# Allegro board TNR_REV00_150306.brd
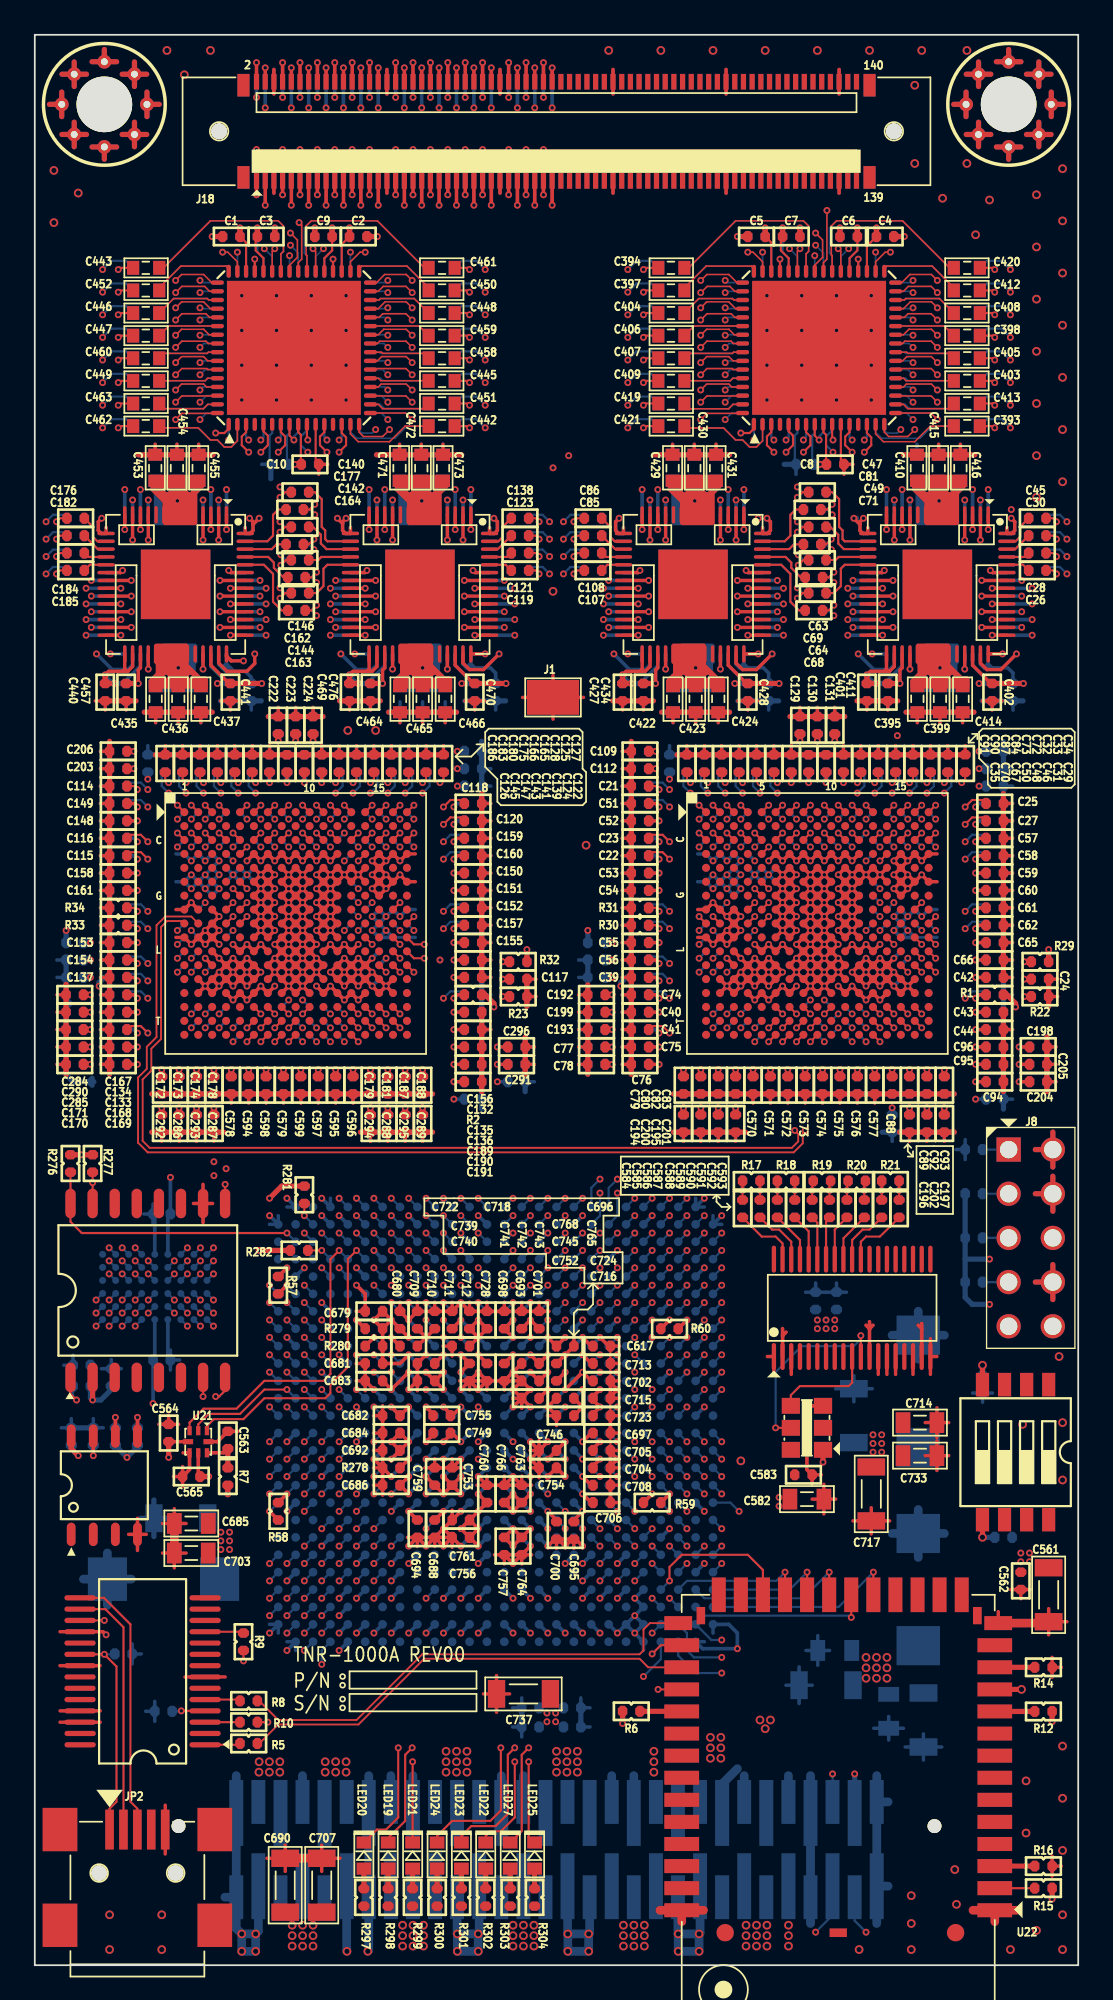
[diagram p0: board, top side]
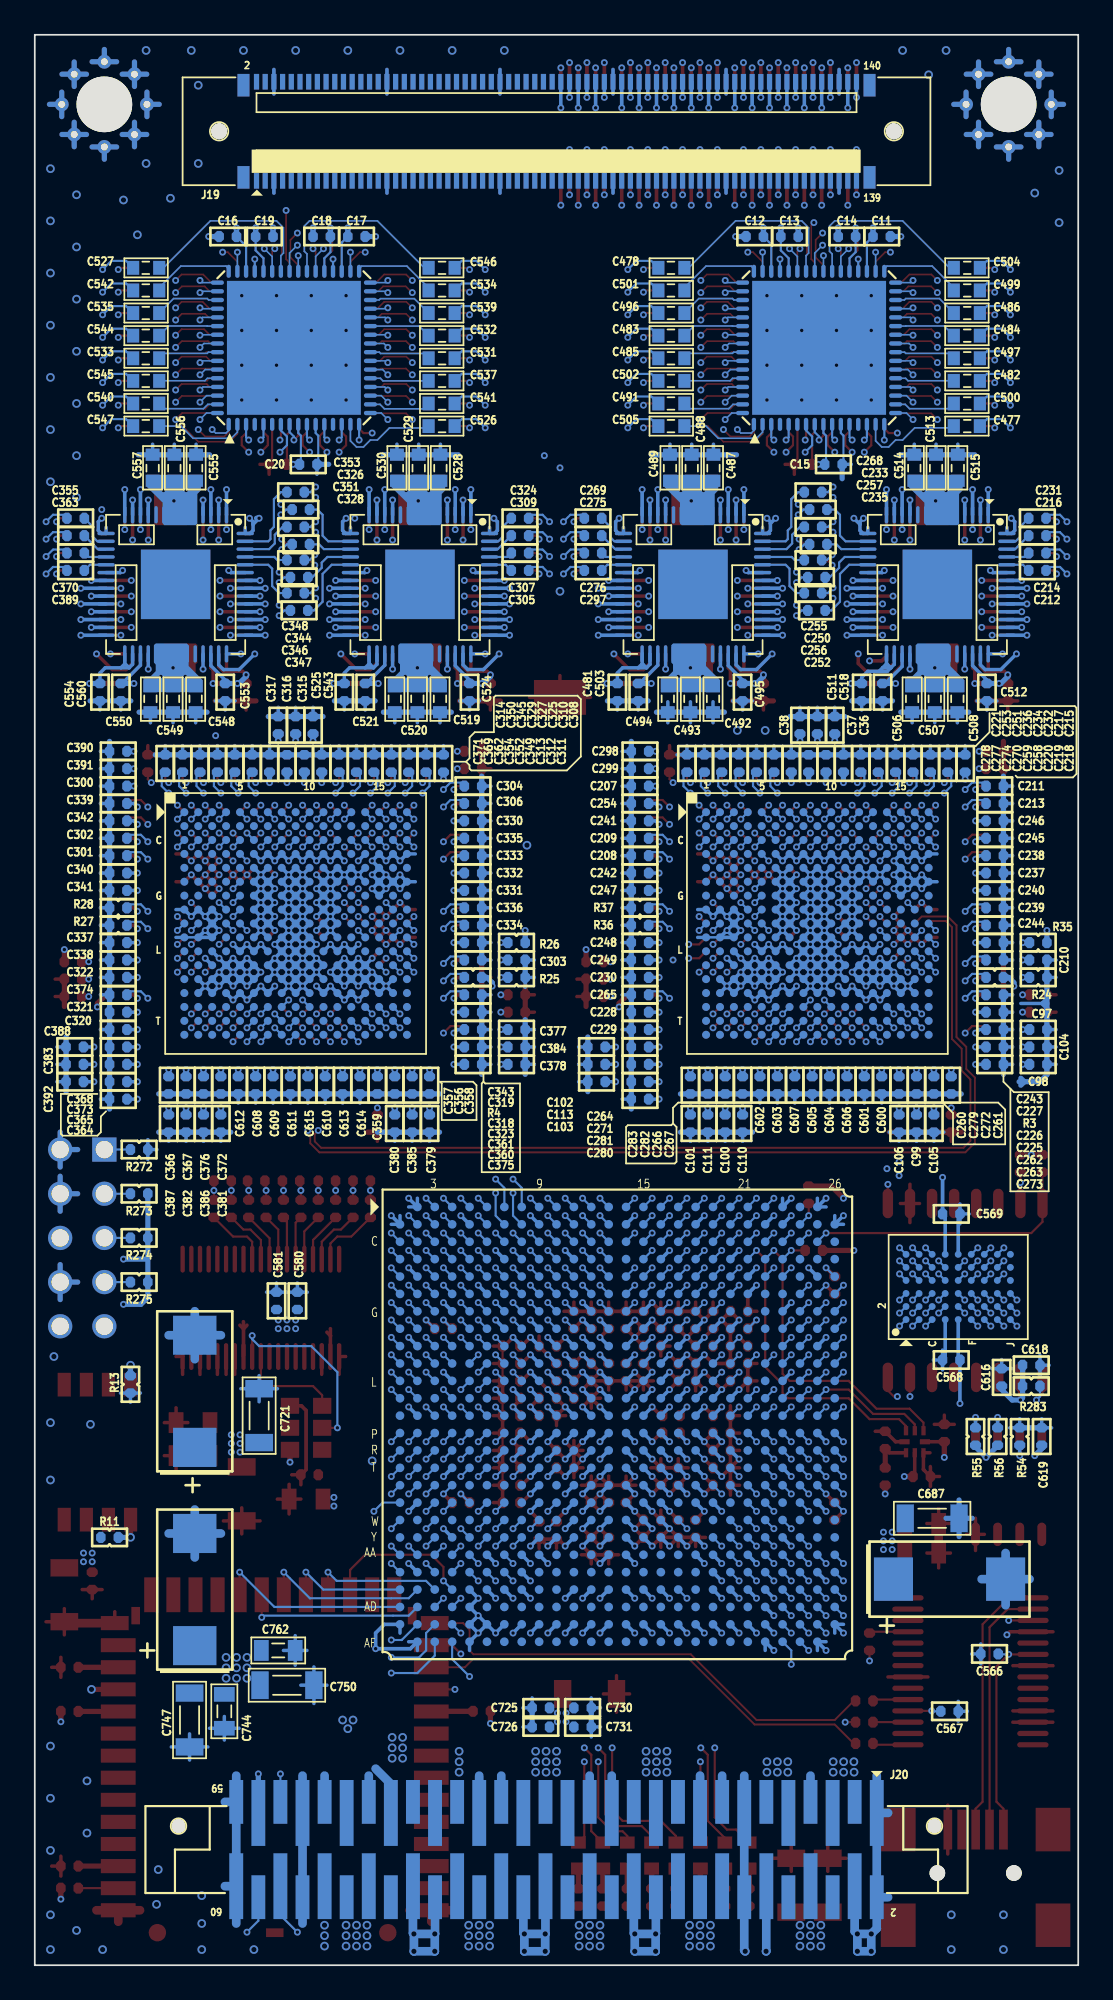
[diagram p1: board, bottom side, seen from below]

Outline 60 x 111 mm; copper layers: TOP, 2-GND, 3-IN, 4-IN, 5-PWR, 6-IN, 7-PWR, 8-IN, 9-IN, 10-PWR, 11-IN, 12-IN, 13-GND, BOTTOM. Coordinates in mm from the lower left corner of the outline.
Outline path: 0,111 0,0 60,0 60,111 0,111

## Design rules (mm)
net group ADCADC1: nets ADCM1 ADCP1
net group ADCADC2: nets ADCM2 ADCP2
net group ADCADC3: nets ADCM3 ADCP3
net group ADCADC4: nets ADCM4 ADCP4
net group ADCADC5: nets ADCM5 ADCP5
net group ADCADC6: nets ADCM6 ADCP6
net group ADCADC7: nets ADCM7 ADCP7
net group ADCADC8: nets ADCM8 ADCP8
net group ADCADC9: nets ADCM9 ADCP9
net group ADCADC10: nets ADCM10 ADCP10
net group ADCADC11: nets ADCM11 ADCP11
net group ADCADC12: nets ADCM12 ADCP12
net group ADCADC13: nets ADCM13 ADCP13
net group ADCADC14: nets ADCM14 ADCP14
net group ADCADC15: nets ADCM15 ADCP15
net group ADCADC16: nets ADCM16 ADCP16
net group ADCADC17: nets ADCM17 ADCP17
net group ADCADC18: nets ADCM18 ADCP18
net group ADCADC19: nets ADCM19 ADCP19
net group ADCADC20: nets ADCM20 ADCP20
net group ADCADC21: nets ADCM21 ADCP21
net group ADCADC22: nets ADCM22 ADCP22
net group ADCADC23: nets ADCM23 ADCP23
net group ADCADC24: nets ADCM24 ADCP24
net group ADCADC25: nets ADCM25 ADCP25
net group ADCADC26: nets ADCM26 ADCP26
net group ADCADC27: nets ADCM27 ADCP27
net group ADCADC28: nets ADCM28 ADCP28
net group ADCADC29: nets ADCM29 ADCP29
net group ADCADC30: nets ADCM30 ADCP30
net group ADCADC31: nets ADCM31 ADCP31
net group ADCADC32: nets ADCM32 ADCP32
net group AFE1_CLK_DP: nets AFE1_CLKN AFE1_CLKP
net group AFE1_DCLK_DP: nets AFE1_DCLKM AFE1_DCLKP
net group AFE1_FCLK_DP: nets AFE1_FCLKM AFE1_FCLKP
net group AFE2_CLK_DP: nets AFE2_CLKN AFE2_CLKP
net group AFE2_DCLK_DP: nets AFE2_DCLKM AFE2_DCLKP
net group AFE2_FCLK_DP: nets AFE2_FCLKM AFE2_FCLKP
net group AFE3_CLK_DP: nets AFE3_CLKN AFE3_CLKP
net group AFE3_DCLK_DP: nets AFE3_DCLKM AFE3_DCLKP
net group AFE3_FCLK_DP: nets AFE3_FCLKM AFE3_FCLKP
net group AFE4_CLK_DP: nets AFE4_CLKN AFE4_CLKP
net group AFE4_DCLK_DP: nets AFE4_DCLKM AFE4_DCLKP
net group AFE4_FCLK_DP: nets AFE4_FCLKM AFE4_FCLKP
net group FPGA_CLK_DP: nets FPGA_CLKN FPGA_CLKP
net group USRT0_DP: nets UART0_RX UART0_TX
net group MEM_A: nets MEM_A0 MEM_A1 MEM_A2 MEM_A3 MEM_A4 MEM_A5 MEM_A6 MEM_A7 MEM_A8 MEM_A9 MEM_A10 MEM_A11 MEM_A12 MEM_A13 MEM_A14 MEM_A15 MEM_A16 MEM_A17 MEM_A18 MEM_A19 MEM_A20 MEM_A21
net group MEM_DQ: nets MEM_DQ0 MEM_DQ1 MEM_DQ2 MEM_DQ3 MEM_DQ4 MEM_DQ5 MEM_DQ6 MEM_DQ7 MEM_DQ8 MEM_DQ9 MEM_DQ10 MEM_DQ11 MEM_DQ12 MEM_DQ13 MEM_DQ14 MEM_DQ15
net group MEM_OT: nets MEM_ADV# MEM_CE# MEM_CLK MEM_CRE MEM_LB# MEM_OE# MEM_UB# MEM_WAIT MEM_WE#
net group MUX: nets MUX1 MUX2 MUX3 MUX4 MUX5 MUX6 MUX7 MUX8 MUX9 MUX10 MUX11 MUX12 MUX13 MUX14 MUX15 MUX16 MUX17 MUX18 MUX19 MUX20 MUX21 MUX22 MUX23 MUX24 MUX25 MUX26 MUX27 MUX28 MUX29 MUX30 MUX31 MUX32 MUX33 MUX34 MUX35 MUX36 MUX37 MUX38 MUX39 MUX40 MUX41 MUX42 MUX43 MUX44 MUX45 MUX46 MUX47 MUX48 MUX49 MUX50 MUX51 MUX52 MUX53 MUX54 MUX55 MUX56 MUX57 MUX58 MUX59 MUX60 MUX61 MUX62 MUX63 MUX64
net group MUX_OT: nets MUX_CLK MUX_CLR MUX_DIN1 MUX_DIN2 MUX_DIN3 MUX_DIN4 MUX_LE

## Placement (name value [footprint] x y rotation side)
C1  0.1u_0402  [C0402]  11.3 99.4 180 top
C2  0.1u_0402  [C0402]  18.6 99.4 0 top
C3  0.1u_0402  [C0402]  13.3 99.4 0 top
C4  0.1u_0402  [C0402]  48.9 99.4 0 top
C5  0.1u_0402  [C0402]  41.5 99.4 180 top
C6  0.1u_0402  [C0402]  46.8 99.4 180 top
C7  0.1u_0402  [C0402]  43.5 99.4 0 top
C8  0.1u_0402  [C0402]  46.02 86.3 0 top
C9  0.1u_0402  [C0402]  16.6 99.4 180 top
C10  0.1u_0402  [C0402]  15.82 86.3 0 top
C11  0.1u_0402  [C0402]  11.3 99.4 180 bottom
C12  0.1u_0402  [C0402]  18.6 99.4 0 bottom
C13  0.1u_0402  [C0402]  16.6 99.4 180 bottom
C14  0.1u_0402  [C0402]  13.3 99.4 0 bottom
C15  0.1u_0402  [C0402]  14.07 86.3 180 bottom
C16  0.1u_0402  [C0402]  48.9 99.4 0 bottom
C17  0.1u_0402  [C0402]  41.5 99.4 180 bottom
C18  0.1u_0402  [C0402]  43.5 99.4 0 bottom
C19  0.1u_0402  [C0402]  46.8 99.4 180 bottom
C20  0.1u_0402  [C0402]  44.27 86.3 180 bottom
C21  1u_0402  [C0402]  34.8 67.8 180 top
C22  1u_0402  [C0402]  34.8 63.8 180 top
C23  1u_0402  [C0402]  34.8 64.8 180 top
C24  0.1u_0402  [C0402]  57.8 56.7 0 top
C25  1u_0402  [C0402]  55.2 66.8 0 top
C26  10n_0402  [C0402]  57.65 80.2 180 top
C27  15n_0402  [C0402]  55.2 65.8 180 top
C28  10n_0402  [C0402]  57.65 81.2 180 top
C29  15n_0402  [C0402]  53.5 69.1 270 top
C30  10n_0402  [C0402]  57.65 82.2 180 top
C31  15n_0402  [C0402]  52.5 69.1 270 top
C32  0.1u_0402  [C0402]  43.5 69.1 90 top
C33  0.1u_0402  [C0402]  44.5 69.1 90 top
C34  0.1u_0402  [C0402]  45.5 69.1 90 top
C35  0.1u_0402  [C0402]  46.5 69.1 90 top
C36  0.1u_0402  [C0402]  14 71.3 90 bottom
C37  0.1u_0402  [C0402]  15 71.3 90 bottom
C38  0.1u_0402  [C0402]  16 71.3 90 bottom
C39  0.1u_0402  [C0402]  34.8 56.8 180 top
C40  0.1u_0402  [C0402]  34.8 54.8 180 top
C41  0.1u_0402  [C0402]  34.8 53.8 180 top
C42  0.1u_0402  [C0402]  55.2 56.8 0 top
C43  0.1u_0402  [C0402]  55.2 54.8 0 top
C44  0.1u_0402  [C0402]  55.2 53.8 0 top
C45  10n_0402  [C0402]  57.65 83.2 180 top
C46  15n_0402  [C0402]  51.5 69.1 270 top
C47  10n_0402  [C0402]  45 84.7 0 top
C48  15n_0402  [C0402]  50.5 69.1 270 top
C49  10n_0402  [C0402]  45 82.7 0 top
C50  15n_0402  [C0402]  49.5 69.1 270 top
C51  0.1u_0402  [C0402]  34.8 66.8 180 top
C52  0.1u_0402  [C0402]  34.8 65.8 180 top
C53  0.1u_0402  [C0402]  34.8 62.8 180 top
C54  0.1u_0402  [C0402]  34.8 61.8 180 top
C55  0.1u_0402  [C0402]  34.8 58.8 180 top
C56  0.1u_0402  [C0402]  34.8 57.8 180 top
C57  0.1u_0402  [C0402]  55.2 64.8 0 top
C58  0.1u_0402  [C0402]  55.2 63.8 0 top
C59  0.1u_0402  [C0402]  55.2 62.8 0 top
C60  0.1u_0402  [C0402]  55.2 61.8 0 top
C61  0.1u_0402  [C0402]  55.2 60.8 0 top
C62  0.1u_0402  [C0402]  55.2 59.8 0 top
C63  10n_0402  [C0402]  45 80.8 0 top
C64  10n_0402  [C0402]  45 78.9 0 top
C65  0.1u_0402  [C0402]  55.2 58.8 0 top
C66  0.1u_0402  [C0402]  55.2 57.8 0 top
C67  15n_0402  [C0402]  48.5 69.1 270 top
C68  10n_0402  [C0402]  44.8 77.9 180 top
C69  10n_0402  [C0402]  44.8 79.8 180 top
C70  15n_0402  [C0402]  47.5 69.1 270 top
C71  10n_0402  [C0402]  44.7 81.7 180 top
C72  15n_0402  [C0402]  42.5 69.1 270 top
C73  15n_0402  [C0402]  41.5 69.1 270 top
C74  0.1u_0402  [C0402]  34.8 55.8 180 top
C75  0.1u_0402  [C0402]  34.8 52.8 180 top
C76  0.1u_0402  [C0402]  34.8 51.8 180 top
C77  0.1u_0402  [C0402]  32.3 52.8 180 top
C78  0.1u_0402  [C0402]  32.3 51.8 180 top
C79  0.1u_0402  [C0402]  37.3 50.6 270 top
C80  0.1u_0402  [C0402]  38.3 50.6 270 top
C81  10n_0402  [C0402]  44.7 83.7 180 top
C82  0.1u_0402  [C0402]  39.3 50.6 270 top
C83  0.1u_0402  [C0402]  40.3 50.6 270 top
C84  15n_0402  [C0402]  40.5 69.1 270 top
C85  10n_0402  [C0402]  32.1 82.2 0 top
C86  10n_0402  [C0402]  32.1 83.2 0 top
C87  15n_0402  [C0402]  39.5 69.1 270 top
C88  0.1u_0402  [C0402]  49.3 50.6 270 top
C89  0.1u_0402  [C0402]  50.3 50.6 270 top
C90  15n_0402  [C0402]  38.5 69.1 270 top
C91  15n_0402  [C0402]  37.5 69.1 270 top
C92  0.1u_0402  [C0402]  51.3 50.6 270 top
C93  0.1u_0402  [C0402]  52.3 50.6 270 top
C94  0.1u_0402  [C0402]  55.2 50.8 0 top
C95  0.1u_0402  [C0402]  55.2 51.8 0 top
C96  0.1u_0402  [C0402]  55.2 52.8 0 top
C97  0.1u_0402  [C0402]  2.3 53.8 180 bottom
C98  0.1u_0402  [C0402]  2.3 51.8 180 bottom
C99  0.1u_0402  [C0402]  9.3 48.4 270 bottom
C100  0.1u_0402  [C0402]  20.3 48.4 270 bottom
C101  0.1u_0402  [C0402]  22.3 48.4 270 bottom
C102  0.1u_0402  [C0402]  27.7 52.8 0 bottom
C103  0.1u_0402  [C0402]  27.7 50.8 0 bottom
C104  0.1u_0402  [C0402]  2.3 52.8 180 bottom
C105  0.1u_0402  [C0402]  8.3 48.4 270 bottom
C106  0.1u_0402  [C0402]  10.3 48.4 270 bottom
C107  10n_0402  [C0402]  32.1 80.2 0 top
C108  10n_0402  [C0402]  32.1 81.2 0 top
C109  15n_0402  [C0402]  34.8 69.8 0 top
C110  0.1u_0402  [C0402]  19.3 48.4 270 bottom
C111  0.1u_0402  [C0402]  21.3 48.4 270 bottom
C112  15n_0402  [C0402]  34.8 68.8 0 top
C113  0.1u_0402  [C0402]  27.7 51.8 0 bottom
C114  1u_0402  [C0402]  4.8 67.8 180 top
C115  1u_0402  [C0402]  4.8 63.8 180 top
C116  1u_0402  [C0402]  4.8 64.8 180 top
C117  0.1u_0402  [C0402]  27.8 56.7 0 top
C118  1u_0402  [C0402]  25.2 66.8 0 top
C119  10n_0402  [C0402]  27.9 80.2 180 top
C120  15n_0402  [C0402]  25.2 65.8 180 top
C121  10n_0402  [C0402]  27.9 81.2 180 top
C122  15n_0402  [C0402]  23.5 69.1 270 top
C123  10n_0402  [C0402]  27.9 82.2 180 top
C124  15n_0402  [C0402]  22.5 69.1 270 top
C125  0.1u_0402  [C0402]  14.5 69.1 90 top
C126  0.1u_0402  [C0402]  16.5 69.1 90 top
C127  0.1u_0402  [C0402]  15.5 69.1 90 top
C128  0.1u_0402  [C0402]  13.5 69.1 90 top
C129  0.1u_0402  [C0402]  44 71.3 90 top
C130  0.1u_0402  [C0402]  45 71.3 90 top
C131  0.1u_0402  [C0402]  46 71.3 90 top
C132  0.1u_0402  [C0402]  25.2 56.8 0 top
C133  0.1u_0402  [C0402]  4.8 53.8 180 top
C134  0.1u_0402  [C0402]  4.8 54.8 180 top
C135  0.1u_0402  [C0402]  25.2 54.8 0 top
C136  0.1u_0402  [C0402]  25.2 53.8 0 top
C137  0.1u_0402  [C0402]  4.8 56.8 180 top
C138  10n_0402  [C0402]  27.9 83.2 180 top
C139  15n_0402  [C0402]  21.5 69.1 270 top
C140  10n_0402  [C0402]  15.25 84.7 0 top
C141  15n_0402  [C0402]  20.5 69.1 270 top
C142  10n_0402  [C0402]  15.25 82.7 0 top
C143  15n_0402  [C0402]  19.5 69.1 270 top
C144  10n_0402  [C0402]  15.25 78.9 0 top
C145  15n_0402  [C0402]  17.5 69.1 270 top
C146  10n_0402  [C0402]  15.25 80.8 0 top
C147  15n_0402  [C0402]  18.5 69.1 270 top
C148  0.1u_0402  [C0402]  4.8 65.8 180 top
C149  0.1u_0402  [C0402]  4.8 66.8 180 top
C150  0.1u_0402  [C0402]  25.2 62.8 0 top
C151  0.1u_0402  [C0402]  25.2 61.8 0 top
C152  0.1u_0402  [C0402]  25.2 60.8 0 top
C153  0.1u_0402  [C0402]  4.8 58.8 180 top
C154  0.1u_0402  [C0402]  4.8 57.8 180 top
C155  0.1u_0402  [C0402]  25.2 58.8 0 top
C156  0.1u_0402  [C0402]  25.2 57.8 0 top
C157  0.1u_0402  [C0402]  25.2 59.8 0 top
C158  0.1u_0402  [C0402]  4.8 62.8 180 top
C159  0.1u_0402  [C0402]  25.2 64.8 0 top
C160  0.1u_0402  [C0402]  25.2 63.8 0 top
C161  0.1u_0402  [C0402]  4.8 61.8 180 top
C162  10n_0402  [C0402]  15.05 79.8 180 top
C163  10n_0402  [C0402]  15.05 77.9 180 top
C164  10n_0402  [C0402]  14.95 81.7 180 top
C165  15n_0402  [C0402]  12.5 69.1 270 top
C166  15n_0402  [C0402]  11.5 69.1 270 top
C167  0.1u_0402  [C0402]  4.8 55.8 180 top
C168  0.1u_0402  [C0402]  4.8 52.8 180 top
C169  0.1u_0402  [C0402]  4.8 51.8 180 top
C170  0.1u_0402  [C0402]  2.3 51.8 180 top
C171  0.1u_0402  [C0402]  2.3 52.8 180 top
C172  0.1u_0402  [C0402]  7.3 50.6 270 top
C173  0.1u_0402  [C0402]  8.3 50.6 270 top
C174  0.1u_0402  [C0402]  9.3 50.6 270 top
C175  15n_0402  [C0402]  10.5 69.1 270 top
C176  10n_0402  [C0402]  2.35 83.2 0 top
C177  10n_0402  [C0402]  14.95 83.7 180 top
C178  0.1u_0402  [C0402]  10.3 50.6 270 top
C179  0.1u_0402  [C0402]  19.3 50.6 270 top
C180  15n_0402  [C0402]  9.5 69.1 270 top
C181  0.1u_0402  [C0402]  20.3 50.6 270 top
C182  10n_0402  [C0402]  2.35 82.2 0 top
C183  15n_0402  [C0402]  8.5 69.1 270 top
C184  10n_0402  [C0402]  2.35 81.2 0 top
C185  10n_0402  [C0402]  2.35 80.2 0 top
C186  15n_0402  [C0402]  7.5 69.1 270 top
C187  0.1u_0402  [C0402]  21.3 50.6 270 top
C188  0.1u_0402  [C0402]  22.3 50.6 270 top
C189  0.1u_0402  [C0402]  25.2 52.8 0 top
C190  0.1u_0402  [C0402]  25.2 51.8 0 top
C191  0.1u_0402  [C0402]  25.2 50.8 0 top
C192  0.1u_0402  [C0402]  32.3 55.8 180 top
C193  0.1u_0402  [C0402]  32.3 53.8 180 top
C194  0.1u_0402  [C0402]  37.3 48.4 270 top
C195  0.1u_0402  [C0402]  39.3 48.4 270 top
C196  0.1u_0402  [C0402]  50.3 48.4 270 top
C197  0.1u_0402  [C0402]  52.3 48.4 270 top
C198  0.1u_0402  [C0402]  57.7 52.8 0 top
C199  0.1u_0402  [C0402]  32.3 54.8 180 top
C200  0.1u_0402  [C0402]  38.3 48.4 270 top
C201  0.1u_0402  [C0402]  40.3 48.4 270 top
C202  0.1u_0402  [C0402]  51.3 48.4 270 top
C203  15n_0402  [C0402]  4.8 68.8 0 top
C204  0.1u_0402  [C0402]  57.7 50.8 0 top
C205  0.1u_0402  [C0402]  57.7 51.8 0 top
C206  15n_0402  [C0402]  4.8 69.8 0 top
C207  1u_0402  [C0402]  25.2 67.8 0 bottom
C208  1u_0402  [C0402]  25.2 63.8 0 bottom
C209  1u_0402  [C0402]  25.2 64.8 0 bottom
C210  0.1u_0402  [C0402]  2.3 57.8 180 bottom
C211  1u_0402  [C0402]  4.8 67.8 180 bottom
C212  10n_0402  [C0402]  2.35 80.2 0 bottom
C213  15n_0402  [C0402]  4.8 66.8 0 bottom
C214  10n_0402  [C0402]  2.35 81.2 0 bottom
C215  15n_0402  [C0402]  6.5 69.1 270 bottom
C216  10n_0402  [C0402]  2.35 82.2 0 bottom
C217  15n_0402  [C0402]  7.5 69.1 270 bottom
C218  0.1u_0402  [C0402]  14.5 69.1 90 bottom
C219  0.1u_0402  [C0402]  15.5 69.1 90 bottom
C220  0.1u_0402  [C0402]  16.5 69.1 90 bottom
C221  0.1u_0402  [C0402]  13.5 69.1 90 bottom
C222  0.1u_0402  [C0402]  14 71.3 90 top
C223  0.1u_0402  [C0402]  15 71.3 90 top
C224  0.1u_0402  [C0402]  16 71.3 90 top
C225  0.1u_0402  [C0402]  4.8 54.8 180 bottom
C226  0.1u_0402  [C0402]  4.8 55.8 180 bottom
C227  0.1u_0402  [C0402]  4.8 57.8 180 bottom
C228  0.1u_0402  [C0402]  25.2 54.8 0 bottom
C229  0.1u_0402  [C0402]  25.2 53.8 0 bottom
C230  0.1u_0402  [C0402]  25.2 56.8 0 bottom
C231  10n_0402  [C0402]  2.35 83.2 0 bottom
C232  15n_0402  [C0402]  8.5 69.1 270 bottom
C233  10n_0402  [C0402]  14.95 83.7 180 bottom
C234  15n_0402  [C0402]  9.5 69.1 270 bottom
C235  10n_0402  [C0402]  14.95 81.7 180 bottom
C236  15n_0402  [C0402]  10.5 69.1 270 bottom
C237  0.1u_0402  [C0402]  4.8 62.8 180 bottom
C238  0.1u_0402  [C0402]  4.8 63.8 180 bottom
C239  0.1u_0402  [C0402]  4.8 60.8 180 bottom
C240  0.1u_0402  [C0402]  4.8 61.8 180 bottom
C241  0.1u_0402  [C0402]  25.2 65.8 0 bottom
C242  0.1u_0402  [C0402]  25.2 62.8 0 bottom
C243  0.1u_0402  [C0402]  4.8 58.8 180 bottom
C244  0.1u_0402  [C0402]  4.8 59.8 180 bottom
C245  0.1u_0402  [C0402]  4.8 64.8 180 bottom
C246  0.1u_0402  [C0402]  4.8 65.8 180 bottom
C247  0.1u_0402  [C0402]  25.2 61.8 0 bottom
C248  0.1u_0402  [C0402]  25.2 58.8 0 bottom
C249  0.1u_0402  [C0402]  25.2 57.8 0 bottom
C250  10n_0402  [C0402]  15.05 79.8 180 bottom
C251  15n_0402  [C0402]  11.5 69.1 270 bottom
C252  10n_0402  [C0402]  15.05 77.9 180 bottom
C253  15n_0402  [C0402]  12.5 69.1 270 bottom
C254  0.1u_0402  [C0402]  25.2 66.8 0 bottom
C255  10n_0402  [C0402]  15.25 80.8 0 bottom
C256  10n_0402  [C0402]  15.25 78.9 0 bottom
C257  10n_0402  [C0402]  15.25 82.7 0 bottom
C258  15n_0402  [C0402]  17.5 69.1 270 bottom
C259  15n_0402  [C0402]  18.5 69.1 270 bottom
C260  0.1u_0402  [C0402]  10.3 50.6 270 bottom
C261  0.1u_0402  [C0402]  7.3 50.6 270 bottom
C262  0.1u_0402  [C0402]  4.8 53.8 180 bottom
C263  0.1u_0402  [C0402]  4.8 52.8 180 bottom
C264  0.1u_0402  [C0402]  25.2 52.8 0 bottom
C265  0.1u_0402  [C0402]  25.2 55.8 0 bottom
C266  0.1u_0402  [C0402]  20.3 50.6 270 bottom
C267  0.1u_0402  [C0402]  19.3 50.6 270 bottom
C268  10n_0402  [C0402]  15.25 84.7 0 bottom
C269  10n_0402  [C0402]  27.9 83.2 180 bottom
C270  15n_0402  [C0402]  19.5 69.1 270 bottom
C271  0.1u_0402  [C0402]  25.2 51.8 0 bottom
C272  0.1u_0402  [C0402]  8.3 50.6 270 bottom
C273  0.1u_0402  [C0402]  4.8 51.8 180 bottom
C274  15n_0402  [C0402]  20.5 69.1 270 bottom
C275  10n_0402  [C0402]  27.9 82.2 180 bottom
C276  10n_0402  [C0402]  27.9 81.2 180 bottom
C277  15n_0402  [C0402]  21.5 69.1 270 bottom
C278  15n_0402  [C0402]  22.5 69.1 270 bottom
C279  0.1u_0402  [C0402]  9.3 50.6 270 bottom
C280  0.1u_0402  [C0402]  25.2 49.8 0 bottom
C281  0.1u_0402  [C0402]  25.2 50.8 0 bottom
C282  0.1u_0402  [C0402]  21.3 50.6 270 bottom
C283  0.1u_0402  [C0402]  22.3 50.6 270 bottom
C284  0.1u_0402  [C0402]  2.3 55.8 180 top
C285  0.1u_0402  [C0402]  2.3 53.8 180 top
C286  0.1u_0402  [C0402]  8.3 48.4 270 top
C287  0.1u_0402  [C0402]  10.3 48.4 270 top
C288  0.1u_0402  [C0402]  20.3 48.4 270 top
C289  0.1u_0402  [C0402]  22.3 48.4 270 top
C290  0.1u_0402  [C0402]  2.3 54.8 180 top
C291  0.1u_0402  [C0402]  27.7 51.8 0 top
C292  0.1u_0402  [C0402]  7.3 48.4 270 top
C293  0.1u_0402  [C0402]  9.3 48.4 270 top
C294  0.1u_0402  [C0402]  19.3 48.4 270 top
C295  0.1u_0402  [C0402]  21.3 48.4 270 top
C296  0.1u_0402  [C0402]  27.7 52.8 0 top
C297  10n_0402  [C0402]  27.9 80.2 180 bottom
C298  15n_0402  [C0402]  25.2 69.8 180 bottom
C299  15n_0402  [C0402]  25.2 68.8 180 bottom
C300  1u_0402  [C0402]  55.2 67.8 0 bottom
C301  1u_0402  [C0402]  55.2 63.8 0 bottom
C302  1u_0402  [C0402]  55.2 64.8 0 bottom
C303  0.1u_0402  [C0402]  32.3 57.8 180 bottom
C304  1u_0402  [C0402]  34.8 67.8 180 bottom
C305  10n_0402  [C0402]  32.1 80.2 0 bottom
C306  15n_0402  [C0402]  34.8 66.8 0 bottom
C307  10n_0402  [C0402]  32.1 81.2 0 bottom
C308  15n_0402  [C0402]  36.5 69.1 270 bottom
C309  10n_0402  [C0402]  32.1 82.2 0 bottom
C310  15n_0402  [C0402]  37.5 69.1 270 bottom
C311  0.1u_0402  [C0402]  44.5 69.1 90 bottom
C312  0.1u_0402  [C0402]  45.5 69.1 90 bottom
C313  0.1u_0402  [C0402]  46.5 69.1 90 bottom
C314  0.1u_0402  [C0402]  43.5 69.1 90 bottom
C315  0.1u_0402  [C0402]  44 71.3 90 bottom
C316  0.1u_0402  [C0402]  45 71.3 90 bottom
C317  0.1u_0402  [C0402]  46 71.3 90 bottom
C318  0.1u_0402  [C0402]  34.8 55.8 180 bottom
C319  0.1u_0402  [C0402]  34.8 57.8 180 bottom
C320  0.1u_0402  [C0402]  55.2 53.8 0 bottom
C321  0.1u_0402  [C0402]  55.2 54.8 0 bottom
C322  0.1u_0402  [C0402]  55.2 56.8 0 bottom
C323  0.1u_0402  [C0402]  34.8 54.8 180 bottom
C324  10n_0402  [C0402]  32.1 83.2 0 bottom
C325  15n_0402  [C0402]  38.5 69.1 270 bottom
C326  10n_0402  [C0402]  44.7 83.7 180 bottom
C327  15n_0402  [C0402]  39.5 69.1 270 bottom
C328  10n_0402  [C0402]  44.7 81.7 180 bottom
C329  15n_0402  [C0402]  40.5 69.1 270 bottom
C330  0.1u_0402  [C0402]  34.8 65.8 180 bottom
C331  0.1u_0402  [C0402]  34.8 61.8 180 bottom
C332  0.1u_0402  [C0402]  34.8 62.8 180 bottom
C333  0.1u_0402  [C0402]  34.8 63.8 180 bottom
C334  0.1u_0402  [C0402]  34.8 59.8 180 bottom
C335  0.1u_0402  [C0402]  34.8 64.8 180 bottom
C336  0.1u_0402  [C0402]  34.8 60.8 180 bottom
C337  0.1u_0402  [C0402]  55.2 58.8 0 bottom
C338  0.1u_0402  [C0402]  55.2 57.8 0 bottom
C339  0.1u_0402  [C0402]  55.2 66.8 0 bottom
C340  0.1u_0402  [C0402]  55.2 62.8 0 bottom
C341  0.1u_0402  [C0402]  55.2 61.8 0 bottom
C342  0.1u_0402  [C0402]  55.2 65.8 0 bottom
C343  0.1u_0402  [C0402]  34.8 58.8 180 bottom
C344  10n_0402  [C0402]  44.8 79.8 180 bottom
C345  15n_0402  [C0402]  41.5 69.1 270 bottom
C346  10n_0402  [C0402]  45 78.9 0 bottom
C347  10n_0402  [C0402]  44.8 77.9 180 bottom
C348  10n_0402  [C0402]  45 80.8 0 bottom
C349  15n_0402  [C0402]  47.5 69.1 270 bottom
C350  15n_0402  [C0402]  42.5 69.1 270 bottom
C351  10n_0402  [C0402]  45 82.7 0 bottom
C352  15n_0402  [C0402]  48.5 69.1 270 bottom
C353  10n_0402  [C0402]  45 84.7 0 bottom
C354  15n_0402  [C0402]  49.5 69.1 270 bottom
C355  10n_0402  [C0402]  57.65 83.2 180 bottom
C356  0.1u_0402  [C0402]  38.3 50.6 270 bottom
C357  0.1u_0402  [C0402]  39.3 50.6 270 bottom
C358  0.1u_0402  [C0402]  37.3 50.6 270 bottom
C359  0.1u_0402  [C0402]  40.3 50.6 270 bottom
C360  0.1u_0402  [C0402]  34.8 52.8 180 bottom
C361  0.1u_0402  [C0402]  34.8 53.8 180 bottom
C362  15n_0402  [C0402]  50.5 69.1 270 bottom
C363  10n_0402  [C0402]  57.65 82.2 180 bottom
C364  0.1u_0402  [C0402]  55.2 49.8 0 bottom
C365  0.1u_0402  [C0402]  55.2 50.8 0 bottom
C366  0.1u_0402  [C0402]  52.3 50.6 270 bottom
C367  0.1u_0402  [C0402]  51.3 50.6 270 bottom
C368  0.1u_0402  [C0402]  55.2 52.8 0 bottom
C369  15n_0402  [C0402]  51.5 69.1 270 bottom
C370  10n_0402  [C0402]  57.65 81.2 180 bottom
C371  15n_0402  [C0402]  52.5 69.1 270 bottom
C372  0.1u_0402  [C0402]  49.3 50.6 270 bottom
C373  0.1u_0402  [C0402]  55.2 51.8 0 bottom
C374  0.1u_0402  [C0402]  55.2 55.8 0 bottom
C375  0.1u_0402  [C0402]  34.8 51.8 180 bottom
C376  0.1u_0402  [C0402]  50.3 50.6 270 bottom
C377  0.1u_0402  [C0402]  32.3 53.8 180 bottom
C378  0.1u_0402  [C0402]  32.3 51.8 180 bottom
C379  0.1u_0402  [C0402]  37.3 48.4 270 bottom
C380  0.1u_0402  [C0402]  39.3 48.4 270 bottom
C381  0.1u_0402  [C0402]  49.3 48.4 270 bottom
C382  0.1u_0402  [C0402]  51.3 48.4 270 bottom
C383  0.1u_0402  [C0402]  57.7 51.8 0 bottom
C384  0.1u_0402  [C0402]  32.3 52.8 180 bottom
C385  0.1u_0402  [C0402]  38.3 48.4 270 bottom
C386  0.1u_0402  [C0402]  50.3 48.4 270 bottom
C387  0.1u_0402  [C0402]  52.3 48.4 270 bottom
C388  0.1u_0402  [C0402]  57.7 52.8 0 bottom
C389  10n_0402  [C0402]  57.65 80.2 180 bottom
C390  15n_0402  [C0402]  55.2 69.8 180 bottom
C391  15n_0402  [C0402]  55.2 68.8 180 bottom
C392  0.1u_0402  [C0402]  57.7 50.8 0 bottom
C393  0.1u_0603_100V  [C0603]  53.6 88.5 180 top
C394  0.1u_0603_100V  [C0603]  36.6 97.6 0 top
C395  0.1u_0603_100V  [C0603]  50.75 72.8 270 top
C397  0.1u_0603_100V  [C0603]  36.6 96.3 0 top
C398  0.1u_0603_100V  [C0603]  53.6 93.7 180 top
C399  0.1u_0603_100V  [C0603]  52.05 72.8 270 top
C401  0.1u_0402  [C0402]  47.85 73.2 270 top
C402  0.1u_0402  [C0402]  55.05 73.2 270 top
C403  0.1u_0603_100V  [C0603]  53.6 91.1 180 top
C404  0.1u_0603_100V  [C0603]  36.6 95 0 top
C405  0.1u_0603_100V  [C0603]  53.6 92.4 180 top
C406  0.1u_0603_100V  [C0603]  36.6 93.7 0 top
C407  0.1u_0603_100V  [C0603]  36.6 92.4 0 top
C408  0.1u_0603_100V  [C0603]  53.6 95 180 top
C409  0.1u_0603_100V  [C0603]  36.6 91.1 0 top
C410  0.1u_0603_100V  [C0603]  50.73 86.1 90 top
C411  0.1u_0402  [C0402]  49.05 73.2 270 top
C412  0.1u_0603_100V  [C0603]  53.6 96.3 180 top
C413  0.1u_0603_100V  [C0603]  53.6 89.8 180 top
C414  0.1u_0603_100V  [C0603]  53.35 72.8 270 top
C415  0.1u_0603_100V  [C0603]  51.98 86.1 90 top
C416  0.1u_0603_100V  [C0603]  53.23 86.1 90 top
C419  0.1u_0603_100V  [C0603]  36.6 89.8 0 top
C420  0.1u_0603_100V  [C0603]  53.6 97.6 180 top
C421  0.1u_0603_100V  [C0603]  36.6 88.5 0 top
C422  0.1u_0603_100V  [C0603]  36.7 72.8 270 top
C423  0.1u_0603_100V  [C0603]  38 72.8 270 top
C424  0.1u_0603_100V  [C0603]  39.3 72.8 270 top
C427  0.1u_0402  [C0402]  33.8 73.2 270 top
C428  0.1u_0402  [C0402]  41 73.2 270 top
C429  0.1u_0603_100V  [C0603]  36.67 86.1 90 top
C430  0.1u_0603_100V  [C0603]  37.92 86.1 90 top
C431  0.1u_0603_100V  [C0603]  39.17 86.1 90 top
C434  0.1u_0402  [C0402]  35 73.2 270 top
C435  0.1u_0603_100V  [C0603]  6.95 72.8 270 top
C436  0.1u_0603_100V  [C0603]  8.25 72.8 270 top
C437  0.1u_0603_100V  [C0603]  9.55 72.8 270 top
C440  0.1u_0402  [C0402]  4.05 73.2 270 top
C441  0.1u_0402  [C0402]  11.25 73.2 270 top
C442  0.1u_0603_100V  [C0603]  23.4 88.5 180 top
C443  0.1u_0603_100V  [C0603]  6.4 97.6 0 top
C445  0.1u_0603_100V  [C0603]  23.4 91.1 180 top
C446  0.1u_0603_100V  [C0603]  6.4 95 0 top
C447  0.1u_0603_100V  [C0603]  6.4 93.7 0 top
C448  0.1u_0603_100V  [C0603]  23.4 95 180 top
C449  0.1u_0603_100V  [C0603]  6.4 91.1 0 top
C450  0.1u_0603_100V  [C0603]  23.4 96.3 180 top
C451  0.1u_0603_100V  [C0603]  23.4 89.8 180 top
C452  0.1u_0603_100V  [C0603]  6.4 96.3 0 top
C453  0.1u_0603_100V  [C0603]  6.92 86.1 90 top
C454  0.1u_0603_100V  [C0603]  8.18 86.1 90 top
C455  0.1u_0603_100V  [C0603]  9.43 86.1 90 top
C457  0.1u_0402  [C0402]  5.25 73.2 270 top
C458  0.1u_0603_100V  [C0603]  23.4 92.4 180 top
C459  0.1u_0603_100V  [C0603]  23.4 93.7 180 top
C460  0.1u_0603_100V  [C0603]  6.4 92.4 0 top
C461  0.1u_0603_100V  [C0603]  23.4 97.6 180 top
C462  0.1u_0603_100V  [C0603]  6.4 88.5 0 top
C463  0.1u_0603_100V  [C0603]  6.4 89.8 0 top
C464  0.1u_0603_100V  [C0603]  21 72.8 270 top
C465  0.1u_0603_100V  [C0603]  22.3 72.8 270 top
C466  0.1u_0603_100V  [C0603]  23.6 72.8 270 top
C469  0.1u_0402  [C0402]  18.1 73.2 270 top
C470  0.1u_0402  [C0402]  25.3 73.2 270 top
C471  0.1u_0603_100V  [C0603]  20.98 86.1 90 top
C472  0.1u_0603_100V  [C0603]  22.23 86.1 90 top
C473  0.1u_0603_100V  [C0603]  23.48 86.1 90 top
C476  0.1u_0402  [C0402]  19.3 73.2 270 top
C477  0.1u_0603_100V  [C0603]  6.4 88.5 0 bottom
C478  0.1u_0603_100V  [C0603]  23.4 97.6 180 bottom
C481  0.1u_0402  [C0402]  26.5 73.2 270 bottom
C482  0.1u_0603_100V  [C0603]  6.4 91.1 0 bottom
C483  0.1u_0603_100V  [C0603]  23.4 93.7 180 bottom
C484  0.1u_0603_100V  [C0603]  6.4 93.7 0 bottom
C485  0.1u_0603_100V  [C0603]  23.4 92.4 180 bottom
C486  0.1u_0603_100V  [C0603]  6.4 95 0 bottom
C487  220n_0603_100V  [C0603]  20.98 86.1 90 bottom
C488  220n_0603_100V  [C0603]  22.23 86.1 90 bottom
C489  220n_0603_100V  [C0603]  23.48 86.1 90 bottom
C491  0.1u_0603_100V  [C0603]  23.4 89.8 180 bottom
C492  220n_0603_100V  [C0603]  21 72.8 270 bottom